# KiCad board DALU.kicad_pcb (continued)
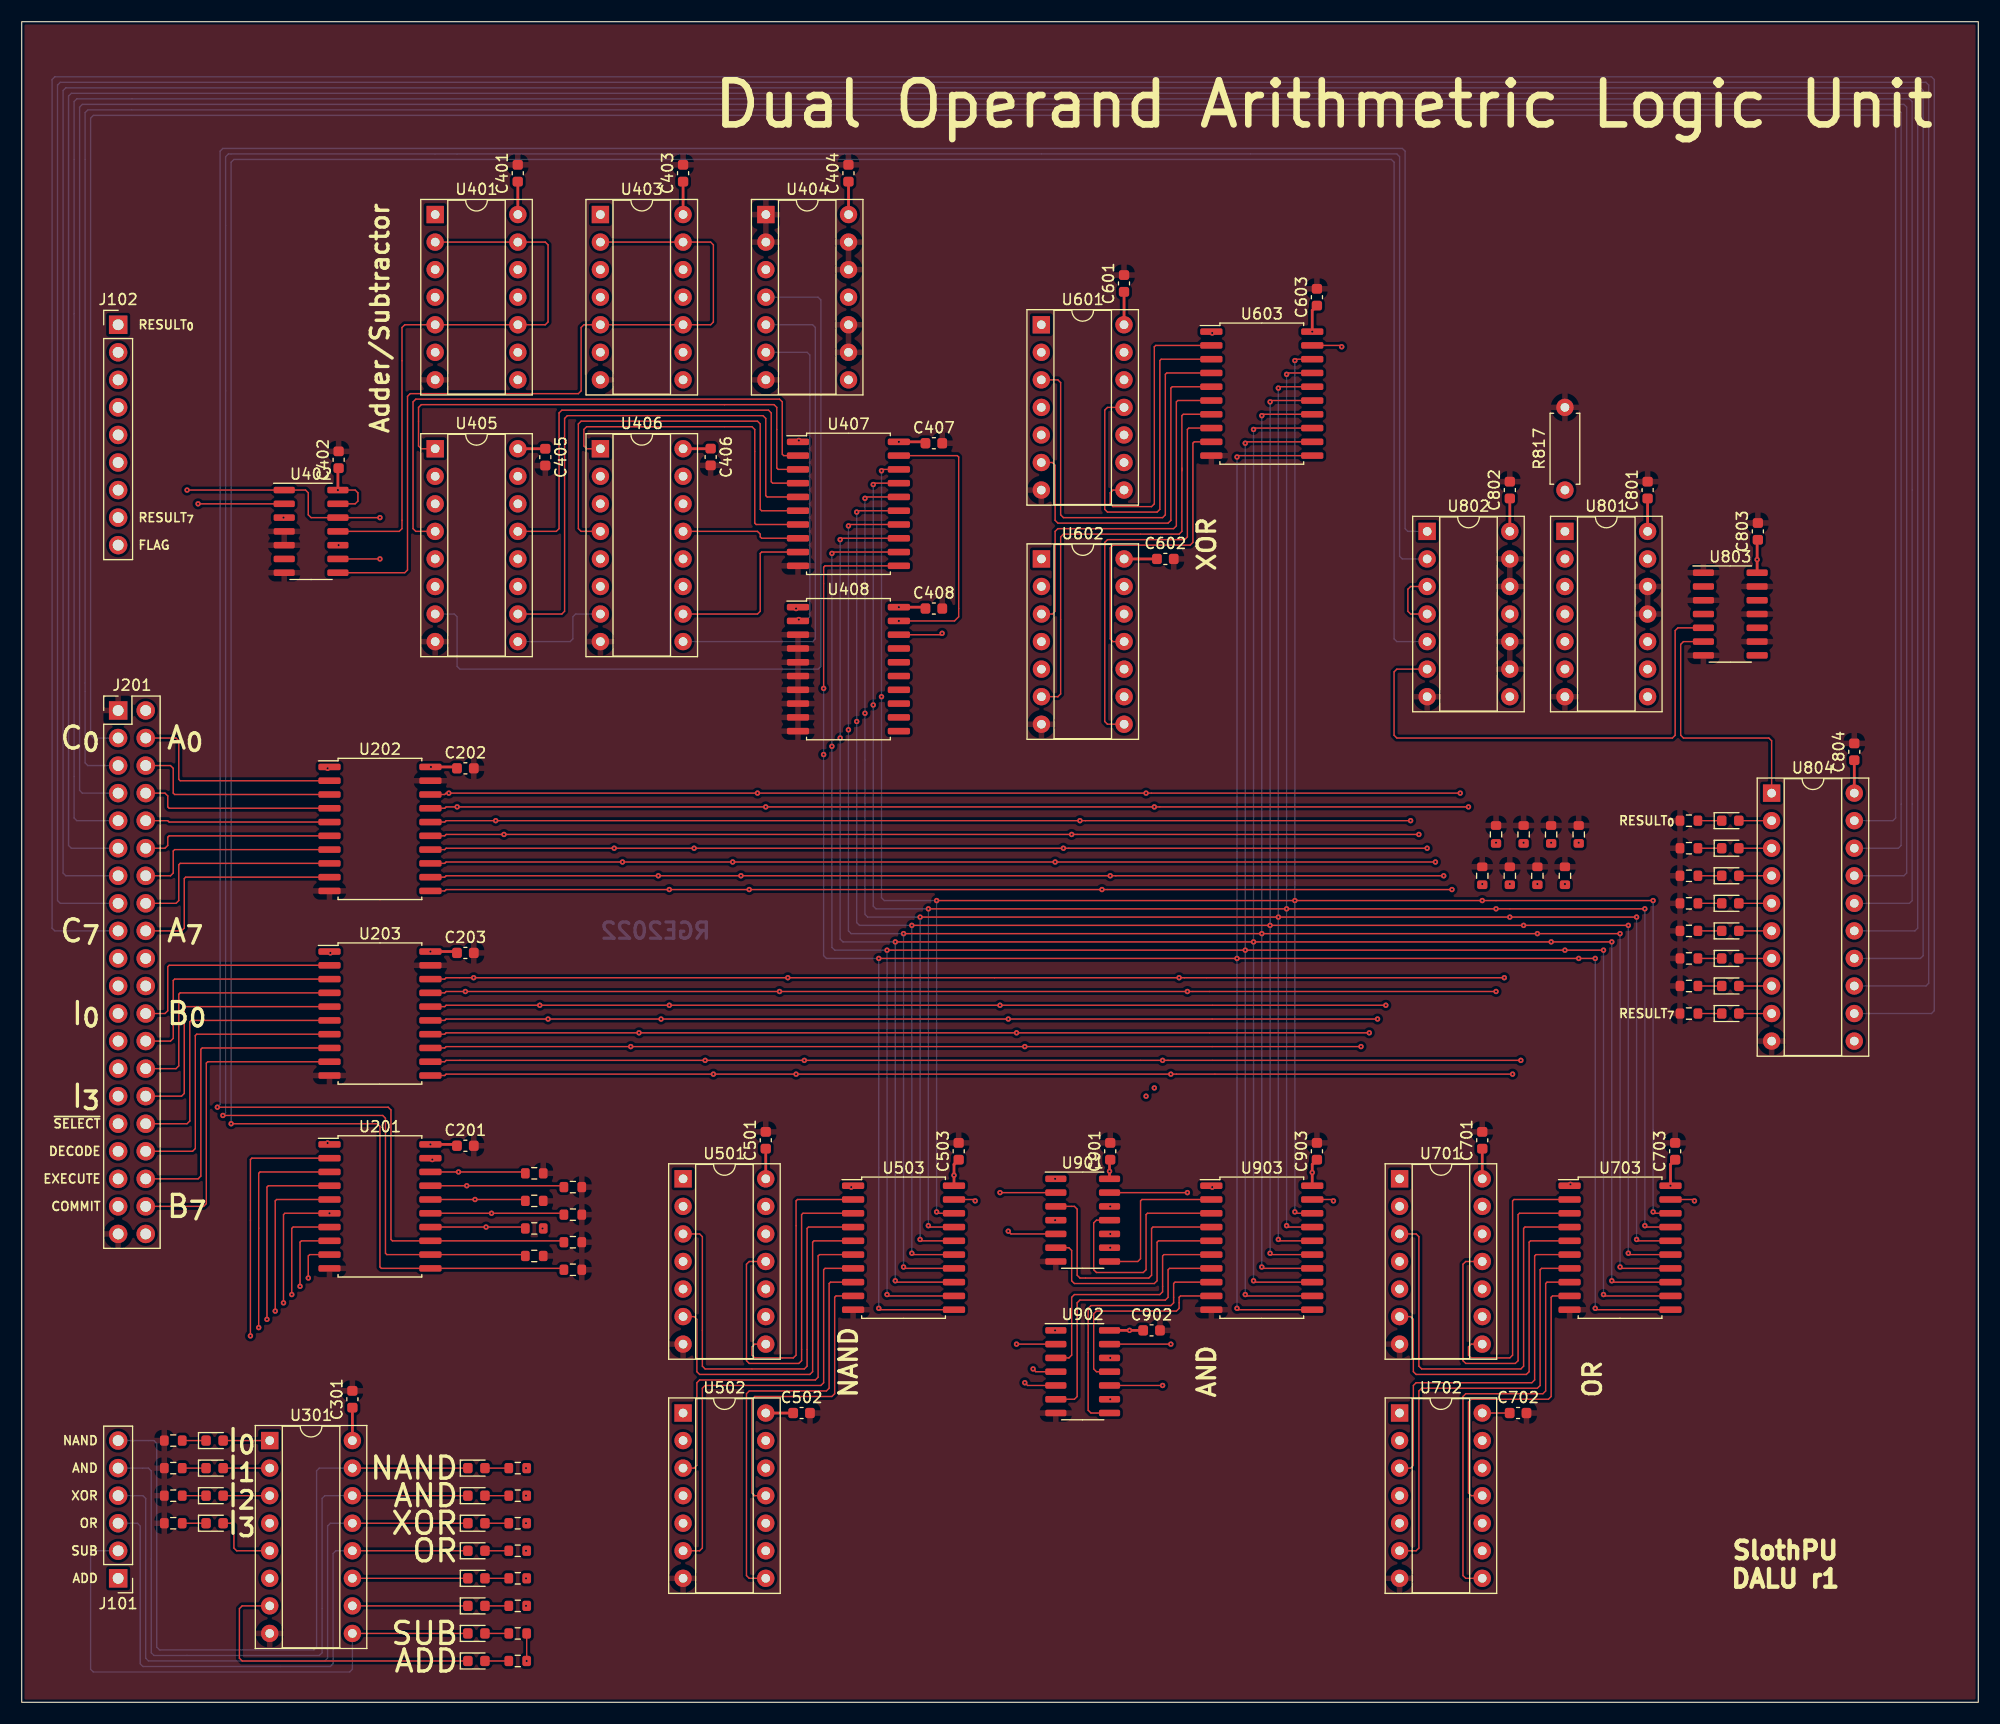
[diagram p0: board, top side]
## Routing (per net, layer and track width the routed paths; a pad name or vN(x,y) marks a point on that pad's centre or on a via; arc(x,y) is an arc through that point)
+5V: length 83
  Top w0.127: v1(29.15,111.76) 30.73,111.76 30.99,111.51 30.99,110.74 30.73,110.49 U402.13 ; v1(46.54,3.81) 46.54,6.35 ; U702.14 C702.1
  Top w0.254: 40.12,86.11 39.99,86.23 v1(37.72,86.23) U202.20 ; C703.1 151.97,49.59 v1(151.97,47.62) ; U301.16 C301.1 ; C406.1 63.49,115.57 U406.16 ; U403.14 C403.1 ; C402.1 29.15,113.71 v1(29.15,111.76) ; C407.1 83.17,116.2 v1(80.85,116.2) ; C603.1 118.95,128.34 v1(118.95,126.36) ; U401.14 45.73,140.19 C401.1 ; C803.1 159.95,107.11 v1(159.95,105.34) U803.14 ; v1(37.67,51.44) 39.99,51.44 40.12,51.31 ; C902.1 v1(102.11,34.29) U902.14 ; U804.20 168.91,86.86 ; U801.14 C801.1 ; U404.14 76.21,140.19 C404.1 ; U701.14 C701.1 ; v1(80.85,100.97) 83.17,100.97 C408.1 ; U503.20 v1(85.93,48.59) 85.93,49.59 C503.1 ; C802.1 U802.14 ; C903.1 118.95,49.59 v1(118.95,48.85) U903.20 ; U405.16 C405.1 ; U501.14 C501.1 ; v1(37.67,69.22) 39.99,69.22 40.12,69.09 ; U602.14 C602.1 ; U502.14 71.11,26.67 ; U601.14 C601.1 ; C901.1 100.27,49.96 v1(100.27,48.96) U901.14
  vias: v1(28.19,86.11) v1(28.19,51.56) v1(28.45,69.09) v1(29.21,106.68) v1(46.48,21.59) v1(46.48,19.05) v1(46.48,16.51) v1(46.48,13.97) v1(46.48,11.43) v1(46.48,8.89) v1(48.01,43.69) v1(71.37,100.84) v1(71.63,116.33) v1(76.45,47.5) v1(109.73,126.24) v1(109.73,47.5) v1(142.75,47.75)
/AdderSubtractor/B'0: length 32.5
  In2.Cu w0.127: U401.3 39.63,132.08 39.89,131.83 39.89,103.12 39.63,102.87 U405.6
/AdderSubtractor/B'1: length 13.7
  In2.Cu w0.127: 38.11,113.04 38.12,113.03 39.13,113.03 39.38,113.28 39.38,124.21 39.12,124.47 38.12,124.47
/AdderSubtractor/B'2: length 11.1
  In2.Cu w0.127: 45.73,113.04 45.72,113.03 44.71,113.03 44.46,113.28 44.46,121.67 44.71,121.92 U401.8
/AdderSubtractor/B'3: length 29.9
  In2.Cu w0.127: U401.11 44.21,129.54 43.95,129.29 43.95,103.12 44.21,102.87 U405.11
/AdderSubtractor/B'4: length 32.5
  In2.Cu w0.127: U403.3 54.86,132.08 55.12,131.83 55.12,103.12 54.86,102.87 U406.6
/AdderSubtractor/B'5: length 13.7
  In2.Cu w0.127: U406.2 54.36,113.03 54.61,113.28 54.61,124.21 54.36,124.46 U403.6
/AdderSubtractor/B'6: length 11.1
  In2.Cu w0.127: U406.15 59.94,113.03 59.69,113.28 59.69,121.67 59.94,121.92 U403.8
/AdderSubtractor/B'7: length 29.9
  In2.Cu w0.127: U406.11 59.44,102.87 59.18,103.12 59.18,129.29 59.44,129.54 U403.11
/AdderSubtractor/FLAG: length 235.6
  Top w0.127: U408.18 84.71,98.42 v1(84.84,98.55)
  In2.Cu w0.127: U801.2 144.53,105.41 144.78,105.66 144.78,111.51 144.53,111.76 R817.1 138.94,111.76 138.68,112.01 138.68,133.1 138.43,133.35 85.09,133.35 84.84,133.1 v1(84.84,98.55) 84.84,86.87 84.58,86.61 45.72,86.61 45.47,86.87 45.47,88.39 45.21,88.65 20.57,88.65 20.32,88.9 20.32,95.5 20.07,95.76 9.14,95.76 8.89,96.01 J102.9
/AdderSubtractor/S_{0}: length 54.4
  Top w0.127: U407.2 70.23,114.94 70.1,115.06 70.1,119.89 69.85,120.14 36.32,120.14 36.07,119.89 36.07,108.2 36.32,107.95 U405.4
/AdderSubtractor/S_{1}: length 46
  Top w0.127: U407.3 69.72,113.67 69.6,113.79 69.6,119.38 69.34,119.63 36.83,119.63 36.58,119.38 36.58,115.82 36.83,115.57 U405.1
/AdderSubtractor/S_{2}: length 43.2
  Top w0.127: U407.4 69.22,112.39 69.09,112.52 69.09,118.87 68.83,119.13 49.78,119.13 49.53,118.87 49.53,108.2 49.28,107.95 U405.13
/AdderSubtractor/S_{3}: length 51.1
  Top w0.127: U405.10 49.78,100.33 50.04,100.58 50.04,118.36 50.29,118.62 68.33,118.62 68.58,118.36 68.58,111.25 68.71,111.12 U407.5
/AdderSubtractor/S_{4}: length 40.2
  Top w0.127: 71.55,109.86 68.2,109.86 68.07,109.98 68.07,117.86 67.82,118.11 51.56,118.11 51.31,117.86 51.31,108.2 51.56,107.95 U406.4
/AdderSubtractor/S_{5}: length 31.8
  Top w0.127: U406.1 52.07,115.57 51.82,115.82 51.82,117.35 52.07,117.6 67.31,117.6 67.56,117.35 67.56,108.71 67.69,108.58 U407.7
/AdderSubtractor/S_{6}: length 11
  Top w0.127: U407.8 68.2,107.31 68.07,107.44 68.07,107.7 67.82,107.95 U406.13
/AdderSubtractor/S_{7}: length 16.1
  Top w0.127: U407.9 68.2,106.05 68.07,105.92 68.07,100.58 67.82,100.33 U406.10
/AdderSubtractor/~{OE}: length 101.6
  Top w0.127: U407.19 86.23,114.94 86.36,114.81 86.36,100.08 85.98,99.69 v1(80.85,99.69)
  In2.Cu w0.127: v1(80.85,99.69) 74.29,99.69 74.17,99.57 74.17,95 73.91,94.74 27.43,94.74 27.18,95 27.18,108.97 26.92,109.22 v1(24.13,109.22)
/AND/A0: length 296.2
  Top w0.127: v1(132.59,83.82) v1(67.82,83.82) v1(39.37,83.82) 39.12,83.82 38.99,83.69 U202.18
  In1.Cu w0.127: v1(39.37,83.82) 39.37,105.16 39.12,105.41 U405.5 ; v1(103.63,55.88) v1(103.63,83.82) 103.63,114.05 103.38,114.3 U601.9
  In2.Cu w0.127: v1(67.82,83.82) 67.82,54.86 67.56,54.61 66.8,54.61 66.55,54.36 66.55,35.81 66.8,35.56 U501.9 ; v1(103.63,55.88) 102.62,55.88 102.36,55.63 102.36,42.16 102.11,41.91 v1(100.33,41.91) ; U701.9 132.84,35.56 132.59,35.81 v1(132.59,83.82)
/AND/A1: length 290.1
  Top w0.127: U202.17 38.99,82.42 39.12,82.55 v1(40.13,82.55) v1(68.58,82.55) v1(133.35,82.55)
  In1.Cu w0.127: v1(40.13,82.55) 40.13,110.24 39.88,110.49 U405.3 ; v1(104.39,56.64) v1(104.39,82.55) 104.39,121.67 104.14,121.92 U601.12
  In2.Cu w0.127: v1(68.58,82.55) 68.58,54.36 68.33,54.1 67.56,54.1 67.31,53.85 67.31,43.43 67.56,43.18 U501.12 ; v1(100.33,45.72) 101.6,45.72 101.85,45.97 101.85,56.39 102.11,56.64 v1(104.39,56.64) ; U701.12 133.6,43.18 133.35,43.43 v1(133.35,82.55)
/AND/A2: length 294.5
  Top w0.127: v1(128.02,81.28) v1(43.69,81.28) 39.12,81.28 38.99,81.15 U202.16
  In1.Cu w0.127: U405.14 43.94,110.49 43.69,110.24 v1(43.69,81.28) ; v1(95.25,48.26) 93.73,48.26 93.47,48.51 93.47,55.12 93.73,55.37 97.28,55.37 97.54,55.63 v1(97.54,81.28) 97.54,126.75 97.28,127 U601.1
  In2.Cu w0.127: U701.1 127.76,48.26 128.02,48.51 v1(128.02,81.28) ; U501.1 61.72,48.26 61.98,48.51 61.98,53.85 61.72,54.1 60.71,54.1 60.45,54.36 60.45,71.12 60.2,71.37 43.94,71.37 43.69,71.63 v1(43.69,81.28)
/AND/A3: length 300.5
  Top w0.127: v1(128.78,80.01) v1(44.45,80.01) 39.12,80.01 38.99,79.88 U202.15
  In1.Cu w0.127: v1(44.45,80.01) 44.45,105.16 44.7,105.41 U405.12 ; v1(95.25,44.45) 93.47,44.45 92.96,44.96 92.96,55.63 93.22,55.88 96.52,55.88 96.77,56.13 v1(96.77,80.01) 96.77,119.13 96.52,119.38 U601.4
  In2.Cu w0.127: U501.4 62.48,40.64 62.74,40.89 62.74,54.36 62.48,54.61 61.47,54.61 61.21,54.86 61.21,71.63 60.96,71.88 44.7,71.88 44.45,72.14 v1(44.45,80.01) ; U701.4 128.52,40.64 128.78,40.89 v1(128.78,80.01)
/AND/A4: length 306.2
  Top w0.127: v1(129.54,78.74) v1(61.98,78.74) v1(54.61,78.74) 39.12,78.74 38.99,78.61 U202.14
  In1.Cu w0.127: U406.5 54.36,105.41 54.61,105.16 v1(54.61,78.74) ; v1(96.01,78.74) 96.01,105.16 95.75,105.42 93.99,105.42
  In2.Cu w0.127: v1(129.54,78.74) 129.54,26.92 129.29,26.67 U702.1 ; U502.1 63.25,26.67 63.5,26.92 63.5,54.86 63.25,55.12 62.23,55.12 61.98,55.37 v1(61.98,78.74) ; v1(95.25,34.29) 93.98,34.29 93.73,34.54 93.73,55.37 93.98,55.63 95.76,55.63 96.01,55.88 v1(96.01,78.74)
/AND/A5: length 323.8
  Top w0.127: U902.4 93.47,30.48 v1(93.22,30.73) ; U202.13 38.99,77.34 39.12,77.47 v1(55.37,77.47) v1(65.53,77.47) v1(95.25,77.47) v1(130.3,77.47)
  In1.Cu w0.127: 93.99,97.8 94.99,97.8 95.25,97.54 v1(95.25,77.47) ; v1(55.37,77.47) 55.37,110.24 55.12,110.49 U406.3
  In2.Cu w0.127: v1(65.53,77.47) 65.53,56.39 65.28,56.13 64.52,56.13 64.26,55.88 64.26,19.3 64.01,19.05 U502.4 ; U702.4 130.05,19.05 130.3,19.3 v1(130.3,77.47) ; v1(95.25,77.47) 95.25,56.64 95,56.39 93.47,56.39 93.22,56.13 v1(93.22,30.73)
/AND/A6: length 331
  Top w0.127: 37.67,76.07 38.99,76.07 39.12,76.2 v1(58.67,76.2) v1(66.29,76.2) v1(131.06,76.2)
  In1.Cu w0.127: U602.9 100.58,92.71 100.33,92.46 v1(100.33,76.2) ; v1(58.67,76.2) 58.67,109.98 59.18,110.49 U406.14
  In2.Cu w0.127: U702.9 131.32,13.97 131.06,14.22 v1(131.06,76.2) ; v1(66.29,76.2) 66.29,55.88 66.04,55.63 65.28,55.63 65.02,55.37 65.02,14.22 65.28,13.97 U502.9 ; v1(100.33,76.2) 100.33,54.86 100.08,54.61 98.81,54.61 98.55,54.36 98.55,28.19 98.81,27.94 v1(100.33,27.94)
/AND/A7: length 313.4
  Top w0.127: U202.11 38.99,74.8 39.12,74.93 v1(59.69,74.93) v1(67.06,74.93) v1(131.83,74.93)
  In1.Cu w0.127: v1(100.33,31.75) 98.04,31.75 97.79,32 97.79,54.86 98.04,55.12 99.31,55.12 99.57,55.37 v1(99.57,74.93) 99.57,100.08 99.83,100.33 101.61,100.33 ; U406.12 59.94,105.41 59.69,105.16 v1(59.69,74.93)
  In2.Cu w0.127: U702.12 132.08,21.59 131.83,21.84 v1(131.83,74.93) ; U502.12 66.04,21.59 65.79,21.84 65.79,54.86 66.04,55.12 66.8,55.12 67.06,55.37 67.06,74.68 ; v1(67.06,74.93) 67.06,74.42
/AND/AND0: length 14.9
  Top w0.127: U903.2 103.25,46.35 103.12,46.23 103.12,40.89 102.87,40.64 U901.8
/AND/AND1: length 22.1
  Top w0.127: U901.11 99.06,44.45 98.81,44.2 98.81,39.88 99.06,39.62 103.38,39.62 103.63,39.88 103.63,44.96 103.76,45.09 U903.3
/AND/AND2: length 25.1
  Top w0.127: U901.3 97.03,45.72 97.28,45.47 97.28,39.37 97.54,39.12 103.89,39.12 104.14,39.37 104.14,43.69 104.27,43.81 U903.4
/AND/AND3: length 21.1
  Top w0.127: U901.6 96.52,41.91 96.77,41.66 96.77,38.86 97.03,38.61 104.39,38.61 104.65,38.86 104.65,42.42 104.78,42.54 U903.5
/AND/AND4: length 23.3
  Top w0.127: U902.3 96.52,31.75 96.77,32 96.77,37.34 97.03,37.59 104.9,37.59 105.16,37.85 105.16,41.15 105.28,41.28 U903.6
/AND/AND5: length 25.9
  Top w0.127: U903.7 105.79,40 105.66,39.88 105.66,37.34 105.41,37.08 97.54,37.08 97.28,36.83 97.28,28.19 97.03,27.94 U902.6
/AND/AND6: length 24.9
  Top w0.127: U902.8 98.55,26.67 98.3,26.92 98.3,36.32 98.55,36.58 105.92,36.58 106.17,36.83 106.17,38.61 106.3,38.74 109.65,38.74
/AND/AND7: length 18.8
  Top w0.127: U902.11 99.06,30.48 98.81,30.73 98.81,35.81 99.06,36.07 106.43,36.07 106.68,36.32 106.68,37.34 106.81,37.47 U903.9
/AND/B0: length 319
  Top w0.127: v1(136.65,66.8) v1(70.61,66.8) v1(41.66,66.8) 39.12,66.8 38.99,66.67 U203.18
  In1.Cu w0.127: U501.10 70.36,38.1 70.61,38.35 v1(70.61,66.8) ; U401.1 41.4,137.16 41.66,136.91 v1(41.66,66.8) ; U701.10 136.4,38.1 136.65,38.35 v1(136.65,66.8) ; v1(106.68,66.8) 106.68,43.43 106.43,43.18 v1(100.33,43.18)
  In2.Cu w0.127: 106.68,67.82 106.68,116.59 106.43,116.84 U601.10 ; v1(106.68,66.8) 106.68,68.07
/AND/B1: length 297.1
  Top w0.127: v1(107.44,46.99) U901.13 ; v1(135.89,65.53) v1(69.85,65.53) v1(40.89,65.53) 39.12,65.53 38.99,65.41 U203.17
  In1.Cu w0.127: U701.13 135.64,45.72 135.89,45.97 v1(135.89,65.53) ; v1(40.89,65.53) 40.89,129.29 40.64,129.54 U401.4 ; v1(69.85,65.53) 69.85,45.97 69.6,45.72 U501.13 ; v1(107.44,65.53) v1(107.44,46.99)
  In2.Cu w0.127: U601.13 107.19,124.46 107.44,124.21 v1(107.44,65.53)
/AND/B2: length 275.8
  Top w0.127: U203.16 38.99,64.14 39.12,64.26 v1(47.75,64.26) v1(59.69,64.26) v1(90.17,64.26) v1(125.73,64.26) ; U901.2 v1(90.17,46.99)
  In1.Cu w0.127: v1(90.17,64.26) v1(90.17,46.99) ; v1(125.73,64.26) 125.73,45.97 125.98,45.72 U701.2 ; U501.2 59.94,45.72 59.69,45.97 v1(59.69,64.26) ; v1(47.75,64.26) 47.75,124.21 47.5,124.46 U401.9
  In2.Cu w0.127: v1(90.17,64.26) 90.17,124.21 90.42,124.46 U601.2
/AND/B3: length 293.4
  Top w0.127: v1(90.93,43.43) 91.19,43.18 U901.5 ; U203.15 38.99,62.86 39.12,62.99 v1(48.51,62.99) v1(58.93,62.99) v1(90.93,62.99) v1(124.97,62.99)
  In1.Cu w0.127: U401.12 48.26,132.08 48.51,131.83 v1(48.51,62.99) ; v1(58.93,62.99) 58.93,38.35 59.18,38.1 U501.5 ; v1(124.97,62.99) 124.97,38.35 125.22,38.1 U701.5 ; v1(90.93,62.99) v1(90.93,43.43)
  In2.Cu w0.127: U601.5 91.19,116.84 90.93,116.59 v1(90.93,62.99)
/AND/B4: length 322.5
  Top w0.127: v1(124.21,61.72) v1(91.69,61.72) v1(56.9,61.72) 39.12,61.72 38.99,61.59 U203.14 ; U902.2 v1(91.69,33.02)
  In1.Cu w0.127: U502.2 58.42,24.13 58.17,24.38 58.17,54.1 57.91,54.36 57.15,54.36 56.9,54.61 v1(56.9,61.72) 56.9,136.91 56.64,137.16 U403.1 ; U702.2 124.46,24.13 124.21,24.38 v1(124.21,61.72) ; v1(91.69,61.72) v1(91.69,33.02)
  In2.Cu w0.127: U602.2 91.95,102.87 91.69,102.62 v1(91.69,61.72)
/AND/B5: length 323.4
  Top w0.127: v1(123.44,60.45) v1(92.46,60.45) v1(56.13,60.45) 39.12,60.45 38.99,60.32 U203.13 ; U902.5 92.71,29.21 v1(92.46,29.46)
  In1.Cu w0.127: U702.5 123.7,16.51 123.44,16.76 v1(123.44,60.45) ; v1(92.46,60.45) v1(92.46,29.46) ; U502.5 57.66,16.51 57.4,16.76 57.4,53.59 57.15,53.85 56.39,53.85 56.13,54.1 v1(56.13,60.45) 56.13,129.29 55.88,129.54 U403.4
  In2.Cu w0.127: U602.5 92.71,95.25 92.46,95 v1(92.46,60.45)
/AND/B6: length 334.2
  Top w0.127: v1(105.16,29.21) U902.10 ; U203.12 38.99,59.06 39.12,59.18 v1(62.99,59.18) v1(72.14,59.18) v1(138.18,59.18)
  In1.Cu w0.127: U502.10 71.88,16.51 72.14,16.76 v1(72.14,59.18) ; v1(62.99,59.18) 62.99,124.21 62.74,124.46 U403.9 ; U702.10 137.92,16.51 138.18,16.76 v1(138.18,59.18)
  In2.Cu w0.127: 104.9,95.25 105.16,95 v1(105.16,59.18) v1(105.16,29.21) ; U602.10 104.9,95.25
/AND/B7: length 329.1
  Top w0.127: U203.11 38.99,57.78 39.12,57.91 v1(63.75,57.91) v1(71.37,57.91) v1(137.41,57.91) ; U902.13 v1(105.92,33.02)
  In1.Cu w0.127: v1(71.37,57.91) 71.37,24.38 71.12,24.13 U502.13 ; v1(137.41,57.91) 137.41,24.38 137.16,24.13 U702.13 ; v1(63.75,57.91) 63.75,131.83 63.5,132.08 U403.12
  In2.Cu w0.127: v1(105.92,33.02) v1(105.92,57.91) 105.92,102.62 105.66,102.88 101.61,102.88
/AND/RESULT0: length 381.6
  Top w0.127: v1(117.35,45.21) 117.47,45.09 U903.18 ; U503.18 84.46,45.09 v1(84.33,45.21) ; v1(117.35,123.7) 117.47,123.83 U603.18 ; v1(84.33,73.91) v1(117.35,73.91) v1(150.37,73.91) ; U407.18 79.38,113.67 v1(79.25,113.54) ; U703.18 150.5,45.09 v1(150.37,45.21) ; U804.2 D801.2
  In1.Cu w0.127: v1(150.37,73.91) 155.19,73.91 155.45,74.17 155.45,81.03 155.7,81.28 U804.2 ; v1(134.62,73.91) v1(134.62,75.44)
  In2.Cu w0.127: v1(79.25,92.71) 24.64,92.71 24.38,92.96 24.38,99.57 24.13,99.82 14.73,99.82 14.48,100.08 14.48,126.75 14.22,127 J102.1
  Bottom w0.127: v1(84.33,45.21) v1(84.33,73.91) 79.5,73.91 79.25,74.17 v1(79.25,92.71) v1(79.25,113.54) ; v1(117.35,123.7) 117.35,75.44 ; v1(117.35,45.21) v1(117.35,73.91) 117.35,75.69 ; v1(150.37,73.91) v1(150.37,45.21)
/AND/RESULT1: length 386.5
  Top w0.127: U503.17 83.69,43.81 v1(83.57,43.94) ; v1(78.49,112.27) 78.61,112.39 U407.17 ; U903.17 116.71,43.81 v1(116.59,43.94) ; U603.17 116.71,122.56 v1(116.59,122.43) ; v1(149.61,43.94) 149.73,43.81 U703.17 ; U804.3 D802.2 ; v1(83.57,73.15) v1(116.59,73.15) v1(149.61,73.15)
  In1.Cu w0.127: U804.3 156.21,78.74 155.96,78.49 155.96,73.41 155.7,73.15 v1(149.61,73.15)
  In2.Cu w0.127: v1(135.89,73.15) v1(135.89,79.25) ; v1(78.49,91.95) 49.02,91.95 48.77,92.2 24.13,92.2 23.88,92.46 23.88,99.06 23.62,99.31 14.22,99.31 13.97,99.57 13.97,124.21 13.72,124.46 J102.2
  Bottom w0.127: v1(78.49,112.27) v1(78.49,91.95) 78.49,73.41 78.74,73.15 v1(83.57,73.15) v1(83.57,43.94) ; v1(149.61,43.94) v1(149.61,73.15) ; v1(116.59,122.43) v1(116.59,73.15) v1(116.59,43.94)
/AND/RESULT2: length 384.1
  Top w0.127: U703.16 148.97,42.54 v1(148.84,42.67) ; v1(82.8,42.67) 82.93,42.54 U503.16 ; v1(115.82,42.67) 115.95,42.54 U903.16 ; v1(115.82,121.16) 115.95,121.28 118.95,121.28 ; v1(148.84,72.39) v1(137.16,72.39) v1(115.82,72.39) v1(82.8,72.39) ; v1(77.72,111) 77.85,111.12 U407.16 ; U804.4 D803.2
  In1.Cu w0.127: U804.4 156.72,76.2 156.46,75.95 156.46,72.64 156.21,72.39 v1(148.84,72.39) ; v1(137.16,72.39) v1(137.16,75.44)
  In2.Cu w0.127: v1(77.72,91.19) 48.77,91.19 48.26,91.69 23.62,91.69 23.37,91.95 23.37,98.55 23.11,98.81 13.72,98.81 13.46,99.06 13.46,121.67 13.21,121.92 J102.3
  Bottom w0.127: v1(115.82,121.16) v1(115.82,72.39) v1(115.82,42.67) ; v1(148.84,42.67) v1(148.84,72.39) ; v1(82.8,42.67) v1(82.8,72.39) 77.98,72.39 77.72,72.64 v1(77.72,91.19) v1(77.72,111)
/AND/RESULT3: length 389.4
  Top w0.127: v1(115.06,41.4) 115.19,41.28 U903.15 ; v1(148.08,41.4) 148.21,41.28 U703.15 ; v1(76.96,109.73) 77.09,109.86 80.85,109.86 ; U503.15 82.17,41.28 v1(82.04,41.4) ; U603.15 115.19,120.02 v1(115.06,119.89) ; v1(82.04,71.63) v1(115.06,71.63) v1(138.43,71.63) v1(148.08,71.63) ; U804.5 D804.2
  In1.Cu w0.127: U804.5 157.23,73.66 156.97,73.41 156.97,71.88 156.72,71.63 v1(148.08,71.63)
  In2.Cu w0.127: J102.4 12.7,119.38 12.95,119.13 12.95,98.55 13.21,98.3 22.61,98.3 22.86,98.04 22.86,91.44 23.11,91.19 47.75,91.19 48.01,90.93 48.01,90.68 48.26,90.42 v1(76.96,90.42) ; v1(138.43,79.25) v1(138.43,71.63)
  Bottom w0.127: v1(82.04,41.4) v1(82.04,71.63) 77.22,71.63 76.96,71.88 v1(76.96,90.42) v1(76.96,109.73) ; v1(115.06,41.4) v1(115.06,71.63) v1(115.06,119.89) ; v1(148.08,41.4) v1(148.08,71.63)
/AND/RESULT4: length 387.3
  Top w0.127: v1(147.32,40.13) 147.45,40 U703.14 ; U804.6 D805.2 ; U603.14 114.43,118.75 v1(114.3,118.62) ; U407.14 76.33,108.58 v1(76.2,108.46) ; v1(81.28,70.87) v1(114.3,70.87) v1(139.7,70.87) v1(147.32,70.87) ; U503.14 81.41,40 v1(81.28,40.13) ; U903.14 114.43,40 v1(114.3,40.13)
  In1.Cu w0.127: v1(147.32,70.87) 156.72,70.87 156.97,71.12 U804.6 ; v1(139.7,70.87) v1(139.7,75.44)
  In2.Cu w0.127: v1(76.2,89.66) 47.75,89.66 47.5,89.92 47.5,90.42 47.24,90.68 22.61,90.68 22.35,90.93 22.35,97.54 22.1,97.79 12.7,97.79 12.45,98.04 12.45,116.59 12.19,116.84 J102.5
  Bottom w0.127: v1(147.32,40.13) v1(147.32,70.87) ; v1(114.3,118.62) v1(114.3,70.87) v1(114.3,40.13) ; v1(76.2,108.46) v1(76.2,89.66) 76.2,71.12 76.45,70.87 v1(81.28,70.87) v1(81.28,40.13)
/AND/RESULT5: length 395.5
  Top w0.127: v1(146.56,70.1) v1(140.97,70.1) v1(113.54,70.1) v1(80.52,70.1) ; v1(146.56,38.86) 146.69,38.74 151.97,38.74 ; U407.13 75.56,107.31 v1(75.44,107.19) ; U804.7 D806.2 ; v1(113.54,38.86) 113.66,38.74 118.95,38.74 ; v1(80.52,38.86) 80.65,38.74 85.93,38.74 ; v1(113.54,117.35) 113.66,117.47 U603.13
  In1.Cu w0.127: U804.7 157.23,68.58 156.97,68.83 156.97,69.85 156.72,70.1 v1(146.56,70.1)
  In2.Cu w0.127: v1(140.97,70.1) v1(140.97,79.25) ; J102.6 11.68,114.3 11.94,114.05 11.94,97.54 12.19,97.28 21.59,97.28 21.84,97.03 21.84,90.42 22.1,90.17 46.74,90.17 46.99,89.92 46.99,89.15 47.24,88.9 v1(75.44,88.9)
  Bottom w0.127: v1(80.52,38.86) v1(80.52,70.1) 75.69,70.1 75.44,70.36 v1(75.44,88.9) v1(75.44,107.19) ; v1(146.56,38.86) v1(146.56,70.1) ; v1(113.54,117.35) v1(113.54,70.1) v1(113.54,38.86)
/AND/RESULT6: length 396.8
  Top w0.127: U804.8 D807.2 ; U703.12 145.92,37.47 v1(145.8,37.59) ; U407.12 74.8,106.05 v1(74.68,105.92) ; U503.12 79.88,37.47 v1(79.76,37.59) ; v1(112.78,37.59) 112.9,37.47 U903.12 ; v1(112.78,116.08) 112.9,116.2 118.95,116.2 ; v1(145.8,69.34) v1(142.24,69.34) v1(112.78,69.34) v1(79.76,69.34)
  In1.Cu w0.127: U804.8 156.72,66.04 156.46,66.29 156.46,69.09 156.21,69.34 v1(145.8,69.34) ; v1(142.24,69.34) v1(142.24,75.44)
  In2.Cu w0.127: J102.7 11.18,111.76 11.43,111.51 11.43,97.03 11.68,96.77 21.08,96.77 21.34,96.52 21.34,89.92 21.59,89.66 46.23,89.66 46.48,89.41 46.48,88.39 46.74,88.14 v1(74.68,88.14)
  Bottom w0.127: v1(112.78,37.59) v1(112.78,69.34) v1(112.78,116.08) ; v1(79.76,37.59) v1(79.76,69.34) 74.93,69.34 74.68,69.6 v1(74.68,88.14) v1(74.68,105.92) ; v1(145.8,69.34) v1(145.8,37.59)
/AND/RESULT7: length 405.7
  Top w0.127: 80.85,104.78 74.04,104.78 73.91,104.65 v1(73.91,93.47) ; U503.11 79.12,36.19 v1(78.99,36.32) ; v1(145.03,36.32) 145.16,36.19 U703.11 ; U804.9 D808.2 ; v1(78.99,68.58) v1(112.01,68.58) v1(145.03,68.58) ; v1(112.01,36.32) 112.14,36.19 U903.11 ; U603.11 112.14,114.94 v1(112.01,114.81)
  In1.Cu w0.127: v1(145.03,68.58) 155.7,68.58 155.96,68.33 155.96,63.75 156.21,63.5 U804.9
  In2.Cu w0.127: J102.8 10.67,109.22 10.92,108.97 10.92,96.52 11.18,96.27 20.57,96.27 20.83,96.01 20.83,89.41 21.08,89.15 45.72,89.15 45.97,88.9 45.97,87.63 46.23,87.38 v1(73.91,87.38) ; v1(143.51,68.58) v1(143.51,79.25)
  Bottom w0.127: v1(73.91,93.47) v1(73.91,87.38) 73.91,68.83 74.17,68.58 v1(78.99,68.58) v1(78.99,36.32) ; v1(112.01,36.32) v1(112.01,68.58) v1(112.01,114.81) ; v1(145.03,36.32) v1(145.03,68.58)
/Connector/A^{raw}_{0}: length 20.7
  Top w0.127: J201.4 14.22,88.9 14.48,88.65 14.48,85.09 14.61,84.96 U202.2
/Connector/B^{raw}_{0}: length 21.2
  Top w0.127: J201.24 13.21,63.5 13.46,63.75 13.46,67.82 13.59,67.94 U203.2
/Connector/C0: length 294.6
  Bottom w0.127: U804.19 172.47,81.28 172.72,81.53 172.72,146.05 172.47,146.3 6.6,146.3 6.35,146.05 6.35,89.15 6.6,88.9 J201.3
/Connector/C1: length 302.7
  Bottom w0.127: J201.5 6.1,86.36 5.84,86.61 5.84,146.56 6.1,146.81 172.97,146.81 173.23,146.56 173.23,78.99 172.97,78.74 U804.18
/Connector/C2: length 310.8
  Bottom w0.127: U804.17 173.48,76.2 173.74,76.45 173.74,147.07 173.48,147.32 5.59,147.32 5.33,147.07 5.33,84.07 5.59,83.82 J201.7
/Connector/C3: length 318.9
  Bottom w0.127: U804.16 173.99,73.66 174.24,73.91 174.24,147.57 173.99,147.83 5.08,147.83 4.83,147.57 4.83,81.53 5.08,81.28 J201.9
/Connector/C4: length 327.1
  Bottom w0.127: U804.15 174.5,71.12 174.75,71.37 174.75,148.08 174.5,148.34 4.57,148.34 4.32,148.08 4.32,78.99 4.57,78.74 J201.11
/Connector/C5: length 335.2
  Bottom w0.127: J201.13 4.06,76.2 3.81,76.45 3.81,148.59 4.06,148.84 175.01,148.84 175.26,148.59 175.26,68.83 175.01,68.58 U804.14
/Connector/C6: length 343.3
  Bottom w0.127: U804.13 175.51,66.04 175.77,66.29 175.77,149.1 175.51,149.35 3.56,149.35 3.3,149.1 3.3,73.91 3.56,73.66 J201.15
/Connector/C7: length 351.4
  Bottom w0.127: J201.17 3.05,71.12 2.79,71.37 2.79,149.61 3.05,149.86 176.02,149.86 176.28,149.61 176.28,63.75 176.02,63.5 U804.12
/Connector/Commit_{raw}: length 32.4
  Top w0.127: U201.9 26.54,41.28 26.42,41.15 v1(26.42,39.12)
  In2.Cu w0.127: J201.37 6.86,45.72 6.6,45.47 6.6,39.37 6.86,39.12 v1(26.42,39.12)
/Connector/Control.Commit: length 287
  Top w0.127: v1(19.3,53.34) 32.77,53.34 33.02,53.09 33.02,40.13 33.15,40 U201.11 49.85,40 R208.1
  Bottom w0.127: U802.5 126.75,97.79 126.49,98.04 126.49,141.99 126.24,142.24 19.56,142.24 19.3,141.99 v1(19.3,53.34)
/Connector/Control.Decode: length 278.7
  Top w0.127: R206.1 49.85,42.54 U201.13 34.16,42.54 34.04,42.67 34.04,54.61 33.78,54.86 v1(18.03,54.86)
  Bottom w0.127: v1(18.03,54.86) 18.29,55.12 18.29,143 18.54,143.26 127.25,143.26 127.51,143 127.51,108.2 127.76,107.95 U802.1
/Connector/Control.Execute: length 371.6
  Top w0.127: v1(18.54,54.1) 33.27,54.1 33.53,53.85 33.53,41.4 33.66,41.28 U201.12 46.29,41.28 R207.1
  In1.Cu w0.127: U801.3 140.21,102.87 139.95,103.12 139.95,111 139.45,111.51 133.6,111.51 133.35,111.25 133.35,105.66 133.1,105.41 U802.2
  In2.Cu w0.127: U801.3 145.8,102.87 146.05,102.62 146.05,87.12 146.3,86.87 164.85,86.87 165.1,86.61 165.1,61.21 165.35,60.96 U804.11
  Bottom w0.127: U802.2 127.25,105.41 127,105.66 127,142.49 126.75,142.75 19.05,142.75 18.8,142.49 18.8,54.36 v1(18.54,54.1)
/Connector/Control.I0: length 55
  Top w0.127: R201.1 46.29,48.9 v1(40.26,48.9) U201.18 ; D304.2 U301.1
  In2.Cu w0.127: v1(40.26,48.9) 40.39,48.77 40.39,32.26 40.13,32 24.38,32 24.13,31.75 24.13,24.38 23.88,24.13 U301.1
/Connector/Control.I1: length 60.6
  Top w0.127: R202.1 49.85,47.62 v1(41.02,47.62) U201.17 ; D303.2 U301.2
  In2.Cu w0.127: U301.2 24.38,21.59 24.64,21.84 24.64,31.24 24.89,31.5 40.89,31.5 41.15,31.75 41.15,47.5 v1(41.02,47.62)
/Connector/Control.I2: length 59.1
  Top w0.127: U201.16 v1(41.78,46.35) 46.29,46.35 R203.1 ; D302.2 U301.3
  In2.Cu w0.127: v1(41.78,46.35) 41.91,46.23 41.91,31.24 41.66,30.99 25.4,30.99 25.15,30.73 25.15,19.3 24.89,19.05 U301.3
/Connector/Control.I3: length 70.2
  Top w0.127: R204.1 49.85,45.09 v1(43.31,45.09) U201.15 ; D301.2 19.3,16.51 19.56,16.26 19.56,14.22 19.81,13.97 U301.5
  In2.Cu w0.127: U301.5 25.91,13.97 26.16,14.22 26.16,29.72 26.42,29.97 43.18,29.97 43.43,30.23 43.43,44.96 v1(43.31,45.09)
/Connector/Control.~{SELECT}: length 55.5
  Top w0.127: U201.14 v1(42.8,43.81) 46.29,43.81 R205.1
  In2.Cu w0.127: U301.4 25.4,16.51 25.65,16.76 25.65,30.23 25.91,30.48 42.42,30.48 42.67,30.73 42.67,43.69 v1(42.8,43.81)
/Connector/DALUFLAG: length 276.8
  In1.Cu w0.127: J201.19 2.54,68.58 2.29,68.83 2.29,144.53 2.54,144.78 145.8,144.78 146.05,144.53 146.05,98.04 145.8,97.79 U801.5
/Connector/Decode_{raw}: length 45.7
  Top w0.127: v1(24.89,37.59) 24.89,43.69 25.02,43.81 U201.7
  In2.Cu w0.127: v1(24.89,37.59) 5.59,37.59 5.33,37.85 5.33,50.55 5.59,50.8 J201.33
/Connector/Execute_{raw}: length 39.2
  Top w0.127: U201.8 25.78,42.54 25.65,42.42 v1(25.65,38.35)
  In2.Cu w0.127: v1(25.65,38.35) 6.1,38.35 5.84,38.61 5.84,47.75 6.35,48.26 J201.35
/Connector/I^{raw}_{0}: length 77.4
  Top w0.127: U201.2 21.21,50.16 21.08,50.04 v1(21.08,33.78)
  In2.Cu w0.127: v1(21.08,33.78) 3.05,33.78 2.79,34.04 2.79,63.25 3.05,63.5 J201.23
/Connector/I^{raw}_{1}: length 71.1
  Top w0.127: U201.3 21.97,48.9 21.84,48.77 v1(21.84,34.54)
  In2.Cu w0.127: v1(21.84,34.54) 3.56,34.54 3.3,34.8 3.3,60.71 3.56,60.96 J201.25
/Connector/I^{raw}_{2}: length 64.7
  Top w0.127: v1(22.61,35.31) 22.61,47.5 22.73,47.62 U201.4
  In2.Cu w0.127: J201.27 4.06,58.42 3.81,58.17 3.81,35.56 4.06,35.31 v1(22.61,35.31)
/Connector/I^{raw}_{3}: length 58.4
  Top w0.127: v1(23.37,36.07) 23.37,46.23 23.5,46.35 U201.5
  In2.Cu w0.127: J201.29 4.57,55.88 4.32,55.63 4.32,36.32 4.57,36.07 v1(23.37,36.07)
/Connector/~{SELECT_{DALU}}: length 66.2
  Top w0.127: v1(28.37,45.09) 24.26,45.09 24.13,44.96 v1(24.13,36.83)
  In1.Cu w0.127: v1(28.37,45.09) 31.37,45.09 31.5,45.21 31.5,49.78 31.75,50.04 v1(37.85,50.04)
  In2.Cu w0.127: v1(24.13,36.83) 5.08,36.83 4.83,37.08 4.83,53.09 5.08,53.34 J201.31
/Decoder/~{ADD}: length 279.3
  Top w0.127: v1(15.24,111.76) U402.1 26.16,111.76 26.42,111.51 26.42,109.47 26.67,109.22 U402.12 v1(33.02,109.22) ; U402.9 v1(33.02,105.41) ; U301.7 20.32,8.89 20.07,8.64 20.07,4.06 20.32,3.81 D308.1
  In1.Cu w0.127: U405.7 33.27,100.33 33.02,100.58 v1(33.02,105.41) v1(33.02,109.22) ; J101.1 8.89,9.14 9.14,8.89 U301.7 26.16,8.89 26.42,9.14 26.42,29.21 26.16,29.46 15.49,29.46 15.24,29.72 v1(15.24,111.76)
  Bottom w0.127: U404.4 73.41,129.54 73.66,129.29 73.66,95.5 73.41,95.25 40.39,95.25 40.13,95.5 40.13,100.08 39.88,100.33 U405.7
/Decoder/~{AND}: length 206.7
  Top w0.127: U903.19 120.78,46.35 v1(120.9,46.23) ; U301.14 D310.1
  In1.Cu w0.127: v1(120.9,46.23) 120.9,7.37 120.65,7.11 34.54,7.11 34.29,7.37 34.29,18.8 34.04,19.05 U301.14
  Bottom w0.127: J101.5 11.68,21.59 11.94,21.34 11.94,4.57 12.19,4.32 27.43,4.32 27.69,4.57 27.69,18.8 27.94,19.05 U301.14
/Decoder/~{BAD_{2}}: length 10.6
  Top w0.127: U301.10 D306.1
/Decoder/~{BAD_{3}}: length 10.6
  Top w0.127: U301.11 D305.1
/Decoder/~{NAND}: length 179.2
  Top w0.127: U301.15 D309.1 ; v1(87.88,46.23) 87.76,46.35 U503.19
  In1.Cu w0.127: U301.15 34.54,21.59 34.8,21.34 34.8,7.87 35.05,7.62 87.63,7.62 87.88,7.87 v1(87.88,46.23)
  Bottom w0.127: U301.15 27.43,21.59 27.18,21.34 27.18,5.08 26.92,4.83 12.7,4.83 12.45,5.08 12.45,23.88 12.19,24.13 J101.6
/Decoder/~{OR}: length 229
  Top w0.127: U301.12 D312.1 ; U703.19 154.05,46.35 v1(154.18,46.23)
  In1.Cu w0.127: v1(154.18,46.23) 154.18,6.35 153.92,6.1 33.53,6.1 33.27,6.35 33.27,13.72 33.02,13.97 U301.12
  Bottom w0.127: J101.3 10.67,16.51 10.92,16.26 10.92,3.56 11.18,3.3 28.45,3.3 28.7,3.56 28.7,13.72 28.96,13.97 U301.12
/Decoder/~{SUBTRACT}: length 177.5
  Top w0.127: v1(16.26,110.49) U402.2 ; U301.9 D307.1
  In1.Cu w0.127: v1(16.26,110.49) 16.26,30.23 16.51,29.97 26.67,29.97 26.92,29.72 26.92,6.6 27.18,6.35 U301.9
  Bottom w0.127: J101.2 6.6,13.97 6.35,13.72 6.35,3.05 6.6,2.79 30.23,2.79 30.48,3.05 U301.9
/Decoder/~{XOR}: length 281.4
  Top w0.127: U301.13 D311.1 ; U603.19 121.54,125.09 v1(121.67,124.97)
  In1.Cu w0.127: U301.13 33.53,16.51 33.78,16.26 33.78,6.86 34.04,6.6 121.41,6.6 121.67,6.86 v1(121.67,124.97)
  Bottom w0.127: U301.13 28.45,16.51 28.19,16.26 28.19,4.06 27.94,3.81 11.68,3.81 11.43,4.06 11.43,18.8 11.18,19.05 J101.4
/NAND/NAND0: length 25.9
  Top w0.127: U501.8 67.56,33.02 67.31,32.77 67.31,32 67.56,31.75 71.12,31.75 71.37,32 71.37,46.23 71.5,46.35 U503.2
/NAND/NAND1: length 34.3
  Top w0.127: U501.11 67.06,40.64 66.8,40.39 66.8,31.5 67.06,31.24 71.63,31.24 71.88,31.5 71.88,44.96 72.01,45.09 U503.3
/NAND/NAND2: length 40.7
  Top w0.127: U503.4 72.52,43.81 72.39,43.69 72.39,30.99 72.14,30.73 62.99,30.73 62.74,30.99 62.74,42.93 62.48,43.18 U501.3
/NAND/NAND3: length 32.8
  Top w0.127: U501.6 61.98,35.56 62.23,35.31 62.23,30.48 62.48,30.23 72.64,30.23 72.9,30.48 72.9,42.42 73.03,42.54 U503.5
/NAND/NAND4: length 34.8
  Top w0.127: U503.6 73.53,41.28 73.41,41.15 73.41,29.97 73.15,29.72 62.48,29.72 62.23,29.46 62.23,21.84 61.98,21.59 U502.3
/NAND/NAND5: length 41.2
  Top w0.127: U502.6 62.48,13.97 62.74,14.22 62.74,28.96 62.99,29.21 73.66,29.21 73.91,29.46 73.91,39.88 74.04,40 U503.7
/NAND/NAND6: length 38.4
  Top w0.127: U502.8 67.06,11.43 66.8,11.68 66.8,28.45 67.06,28.7 74.17,28.7 74.42,28.96 74.42,38.61 74.55,38.74 76.63,38.74
/NAND/NAND7: length 28.5
  Top w0.127: U503.9 75.06,37.47 74.93,37.34 74.93,28.45 74.68,28.19 67.56,28.19 67.31,27.94 67.31,19.3 67.56,19.05 U502.11
/OR/OR0: length 25.9
  Top w0.127: U701.8 133.6,33.02 133.35,32.77 133.35,32 133.6,31.75 137.16,31.75 137.41,32 137.41,46.23 137.54,46.35 U703.2
/OR/OR1: length 34.3
  Top w0.127: U703.3 138.05,45.09 137.92,44.96 137.92,31.5 137.67,31.24 133.1,31.24 132.84,31.5 132.84,40.39 133.1,40.64 U701.11
/OR/OR2: length 40.7
  Top w0.127: U703.4 138.56,43.81 138.43,43.69 138.43,30.99 138.18,30.73 129.03,30.73 128.78,30.99 128.78,42.93 128.52,43.18 U701.3
/OR/OR3: length 32.8
  Top w0.127: U701.6 128.02,35.56 128.27,35.31 128.27,30.48 128.52,30.23 138.68,30.23 138.94,30.48 138.94,42.42 139.06,42.54 U703.5
/OR/OR4: length 34.8
  Top w0.127: U703.6 139.57,41.28 139.45,41.15 139.45,29.72 139.19,29.46 128.52,29.46 128.27,29.21 128.27,21.84 128.02,21.59 U702.3
/OR/OR5: length 41.2
  Top w0.127: U702.6 128.52,13.97 128.78,14.22 128.78,28.7 129.03,28.96 139.7,28.96 139.95,29.21 139.95,39.88 140.08,40 U703.7
/OR/OR6: length 38.4
  Top w0.127: U702.8 133.1,11.43 132.84,11.68 132.84,28.19 133.1,28.45 140.21,28.45 140.46,28.7 140.46,38.61 140.59,38.74 142.67,38.74
/OR/OR7: length 28.5
  Top w0.127: U703.9 141.1,37.47 140.97,37.34 140.97,28.19 140.72,27.94 133.6,27.94 133.35,27.69 133.35,19.3 133.6,19.05 U702.11
/Output Stage/~{OE}: length 24
  Top w0.127: U803.6 153.16,97.79 152.91,97.54 152.91,89.15 153.16,88.9 161.04,88.9 161.29,88.65 U804.1
/XOR/XOR0: length 26.5
  Top w0.127: U601.8 100.58,111.76 100.33,111.51 100.33,110.49 100.58,110.24 104.14,110.24 104.39,110.49 104.39,124.97 104.52,125.09 U603.2
/XOR/XOR1: length 34.8
  Top w0.127: U603.3 105.03,123.83 104.9,123.7 104.9,109.98 104.65,109.73 100.08,109.73 99.82,109.98 99.82,119.13 100.08,119.38 U601.11
/XOR/XOR2: length 41.2
  Top w0.127: U603.4 105.54,122.56 105.41,122.43 105.41,109.47 105.16,109.22 96.01,109.22 95.76,109.47 95.76,121.67 95.5,121.92 U601.3
/XOR/XOR3: length 33.3
  Top w0.127: U601.6 95,114.3 95.25,114.05 95.25,108.97 95.5,108.71 105.66,108.71 105.92,108.97 105.92,121.16 106.04,121.28 109.65,121.28
/XOR/XOR4: length 34.8
  Top w0.127: U603.6 106.55,120.02 106.43,119.89 106.43,108.46 106.17,108.2 95.5,108.2 95.25,107.95 95.25,100.58 95,100.33 U602.3
/XOR/XOR5: length 41.4
  Top w0.127: U603.7 107.06,118.75 106.93,118.62 106.93,113.54 ; 93.99,92.72 95.5,92.72 95.5,92.71 95.76,92.96 95.76,107.44 96.01,107.7 106.68,107.7 106.93,107.95 106.93,113.79
/XOR/XOR6: length 38.4
  Top w0.127: U603.8 107.57,117.47 107.44,117.35 107.44,107.44 107.19,107.19 100.08,107.19 99.82,106.93 99.82,90.42 100.08,90.17 100.08,90.17 101.61,90.17
/XOR/XOR7: length 28.5
  Top w0.127: 101.6,97.79 100.58,97.79 100.33,98.04 100.33,106.43 100.58,106.68 107.7,106.68 107.95,106.93 107.95,116.08 108.08,116.2 109.65,116.2
Net-(D301-Pad1): length 2.2
  Top w0.127: R301.2 D301.1
Net-(D302-Pad1): length 2.2
  Top w0.127: R302.2 D302.1
Net-(D303-Pad1): length 2.2
  Top w0.127: R303.2 D303.1
Net-(D304-Pad1): length 2.2
  Top w0.127: R304.2 D304.1
Net-(D305-Pad2): length 2.2
  Top w0.127: D305.2 R305.1
Net-(D306-Pad2): length 2.2
  Top w0.127: D306.2 R306.1
Net-(D307-Pad2): length 2.2
  Top w0.127: D307.2 R307.1
Net-(D308-Pad2): length 2.2
  Top w0.127: D308.2 R308.1
Net-(D309-Pad2): length 2.2
  Top w0.127: D309.2 R309.1
Net-(D310-Pad2): length 2.2
  Top w0.127: D310.2 R310.1
Net-(D311-Pad2): length 2.2
  Top w0.127: D311.2 R311.1
Net-(D312-Pad2): length 2.2
  Top w0.127: D312.2 R312.1
Net-(D801-Pad1): length 2.2
  Top w0.127: 154.5,81.28 D801.1
Net-(D802-Pad1): length 2.2
  Top w0.127: 154.5,78.74 D802.1
Net-(D803-Pad1): length 2.2
  Top w0.127: 154.5,76.2 D803.1
Net-(D804-Pad1): length 2.2
  Top w0.127: 154.5,73.66 D804.1
Net-(D805-Pad1): length 2.2
  Top w0.127: 154.5,71.12 D805.1
Net-(D806-Pad1): length 2.2
  Top w0.127: 154.5,68.58 D806.1
Net-(D807-Pad1): length 2.2
  Top w0.127: 154.5,66.04 D807.1
Net-(D808-Pad1): length 2.2
  Top w0.127: 154.5,63.5 D808.1
Net-(J201-Pad6): length 19.4
  Top w0.127: U202.3 14.1,83.69 13.97,83.82 13.97,86.11 13.72,86.36 J201.6
